# Altium PCB 4G_V4.2_5X4.PcbDoc (part 1 of 5)
Units mm, origin at the board's own origin, x right, y up, seen from the top; angles counter-clockwise.
Board outline 35.5 x 48 mm, 2 copper layers (Top Layer, Bottom Layer); 800 components, 0 nets, 5412 pads, 900 vias.
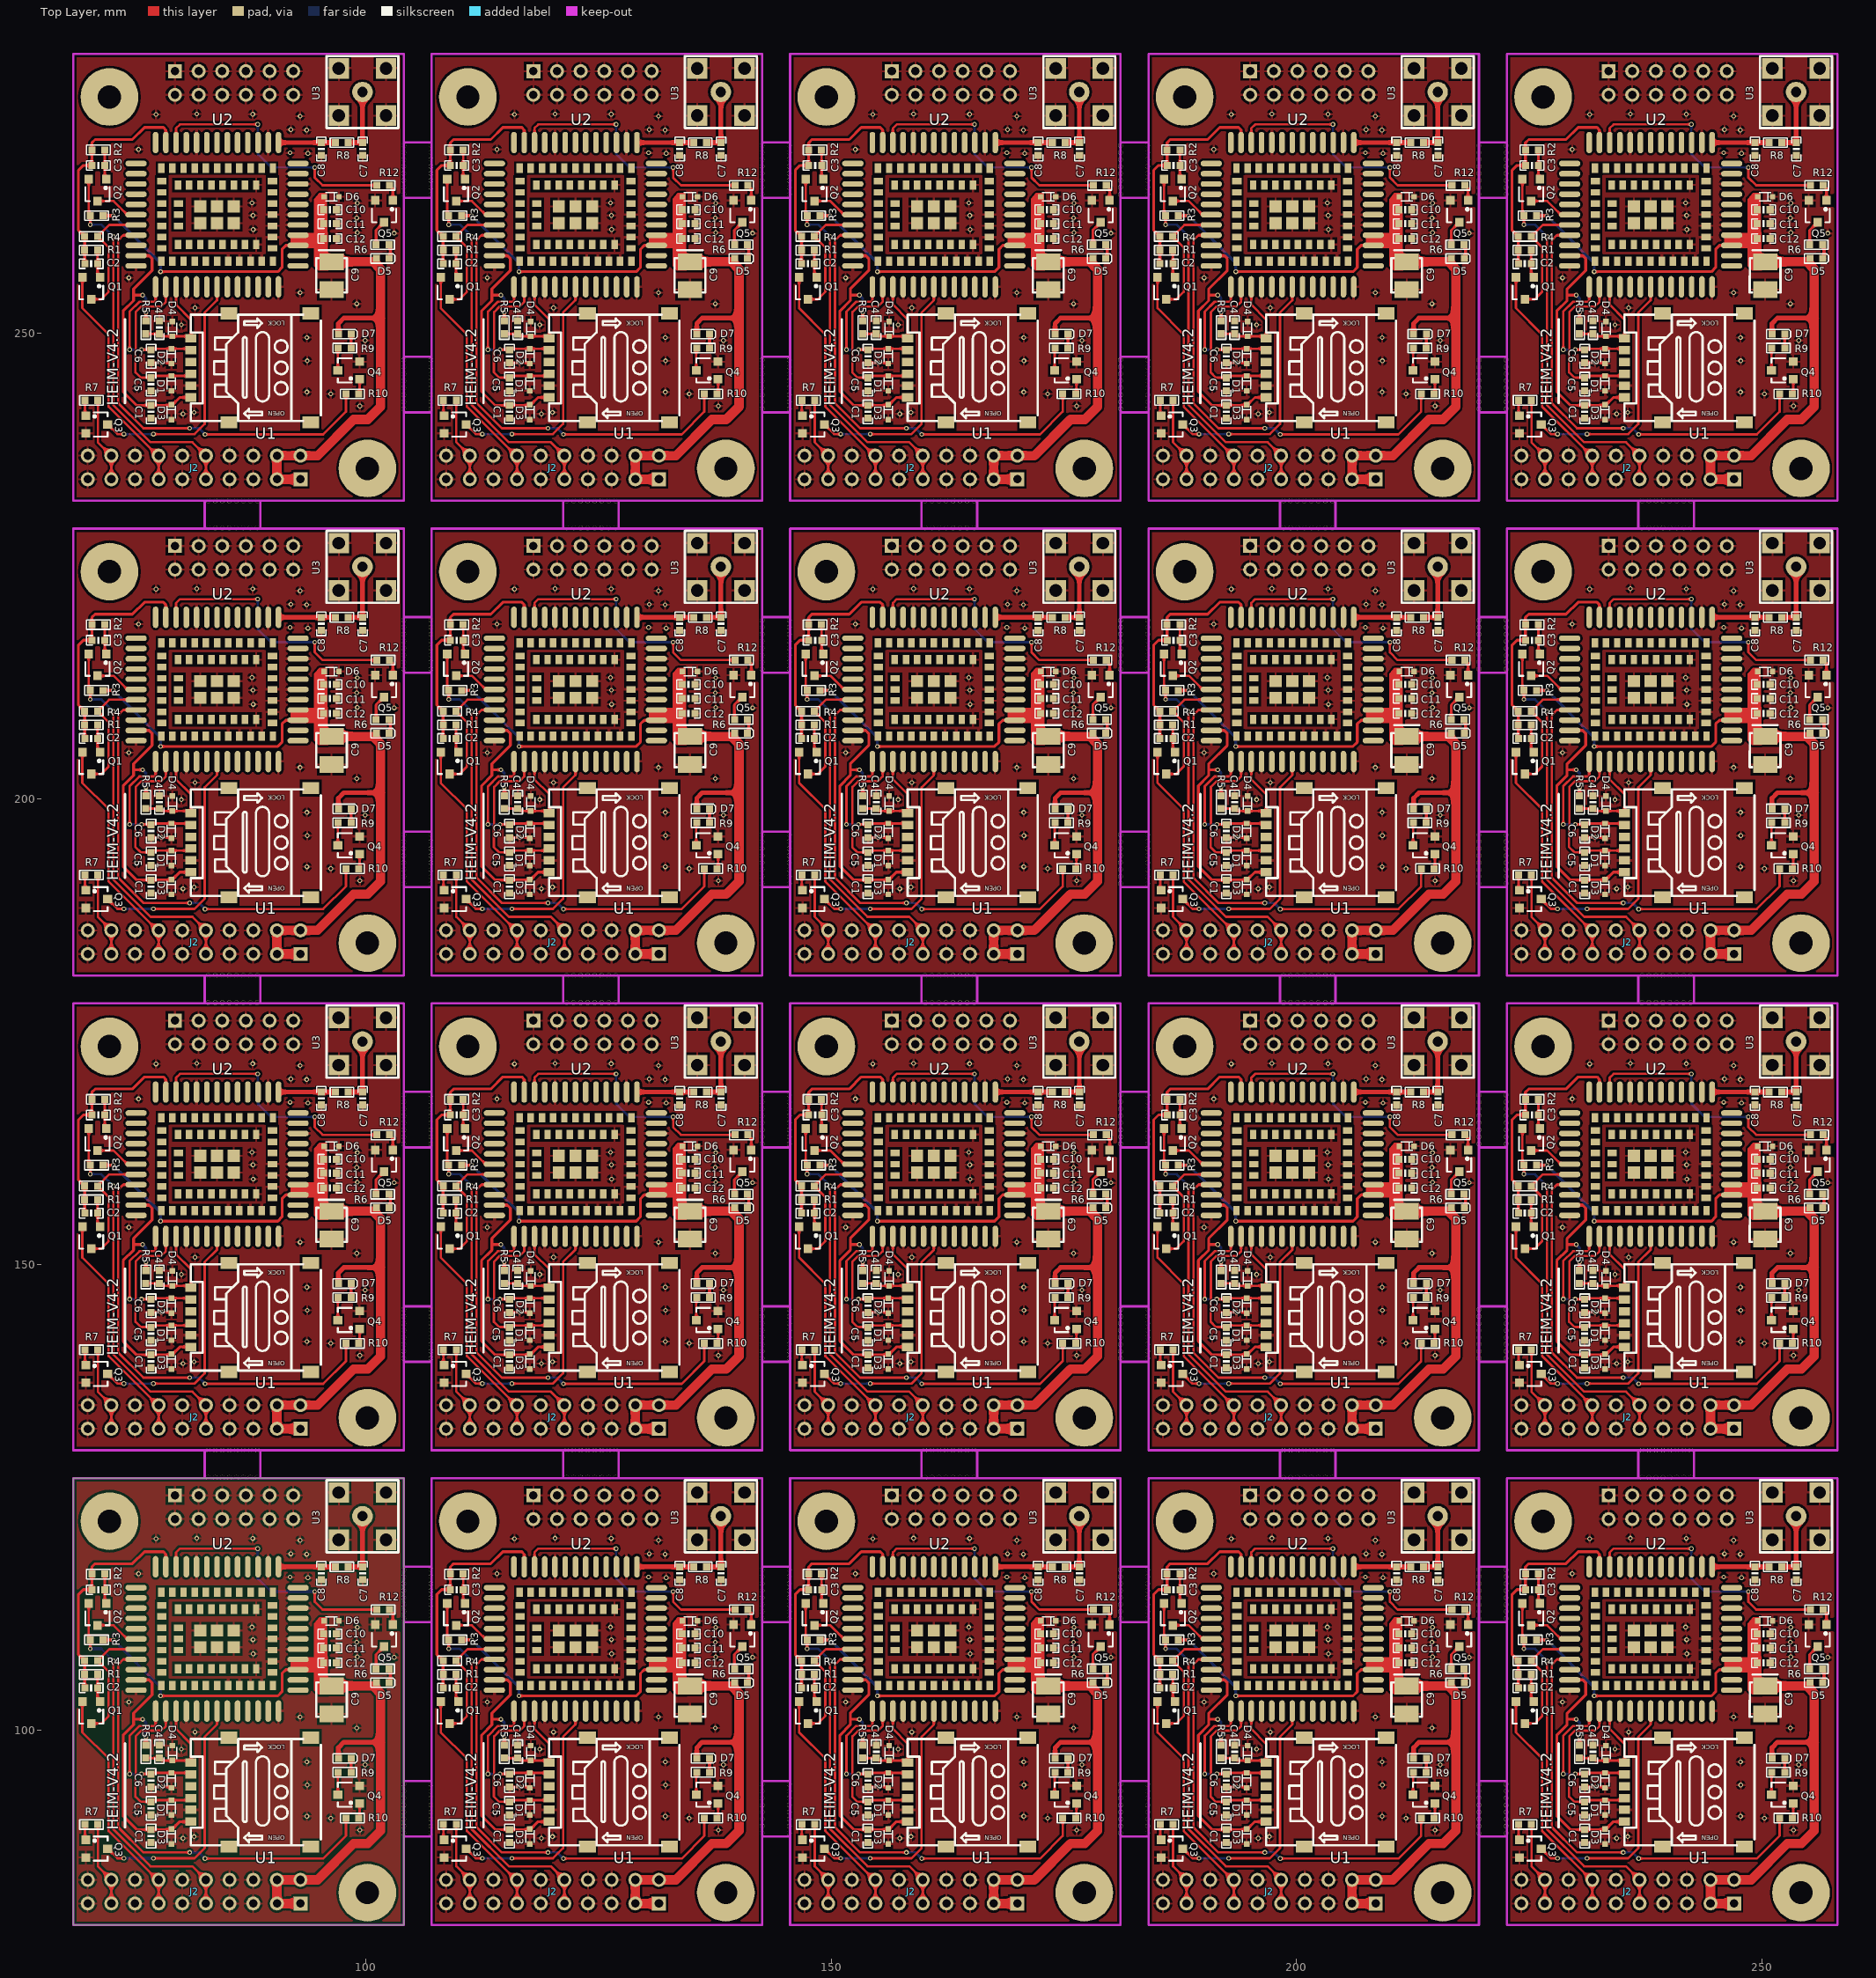
[diagram p0: Top Layer view]
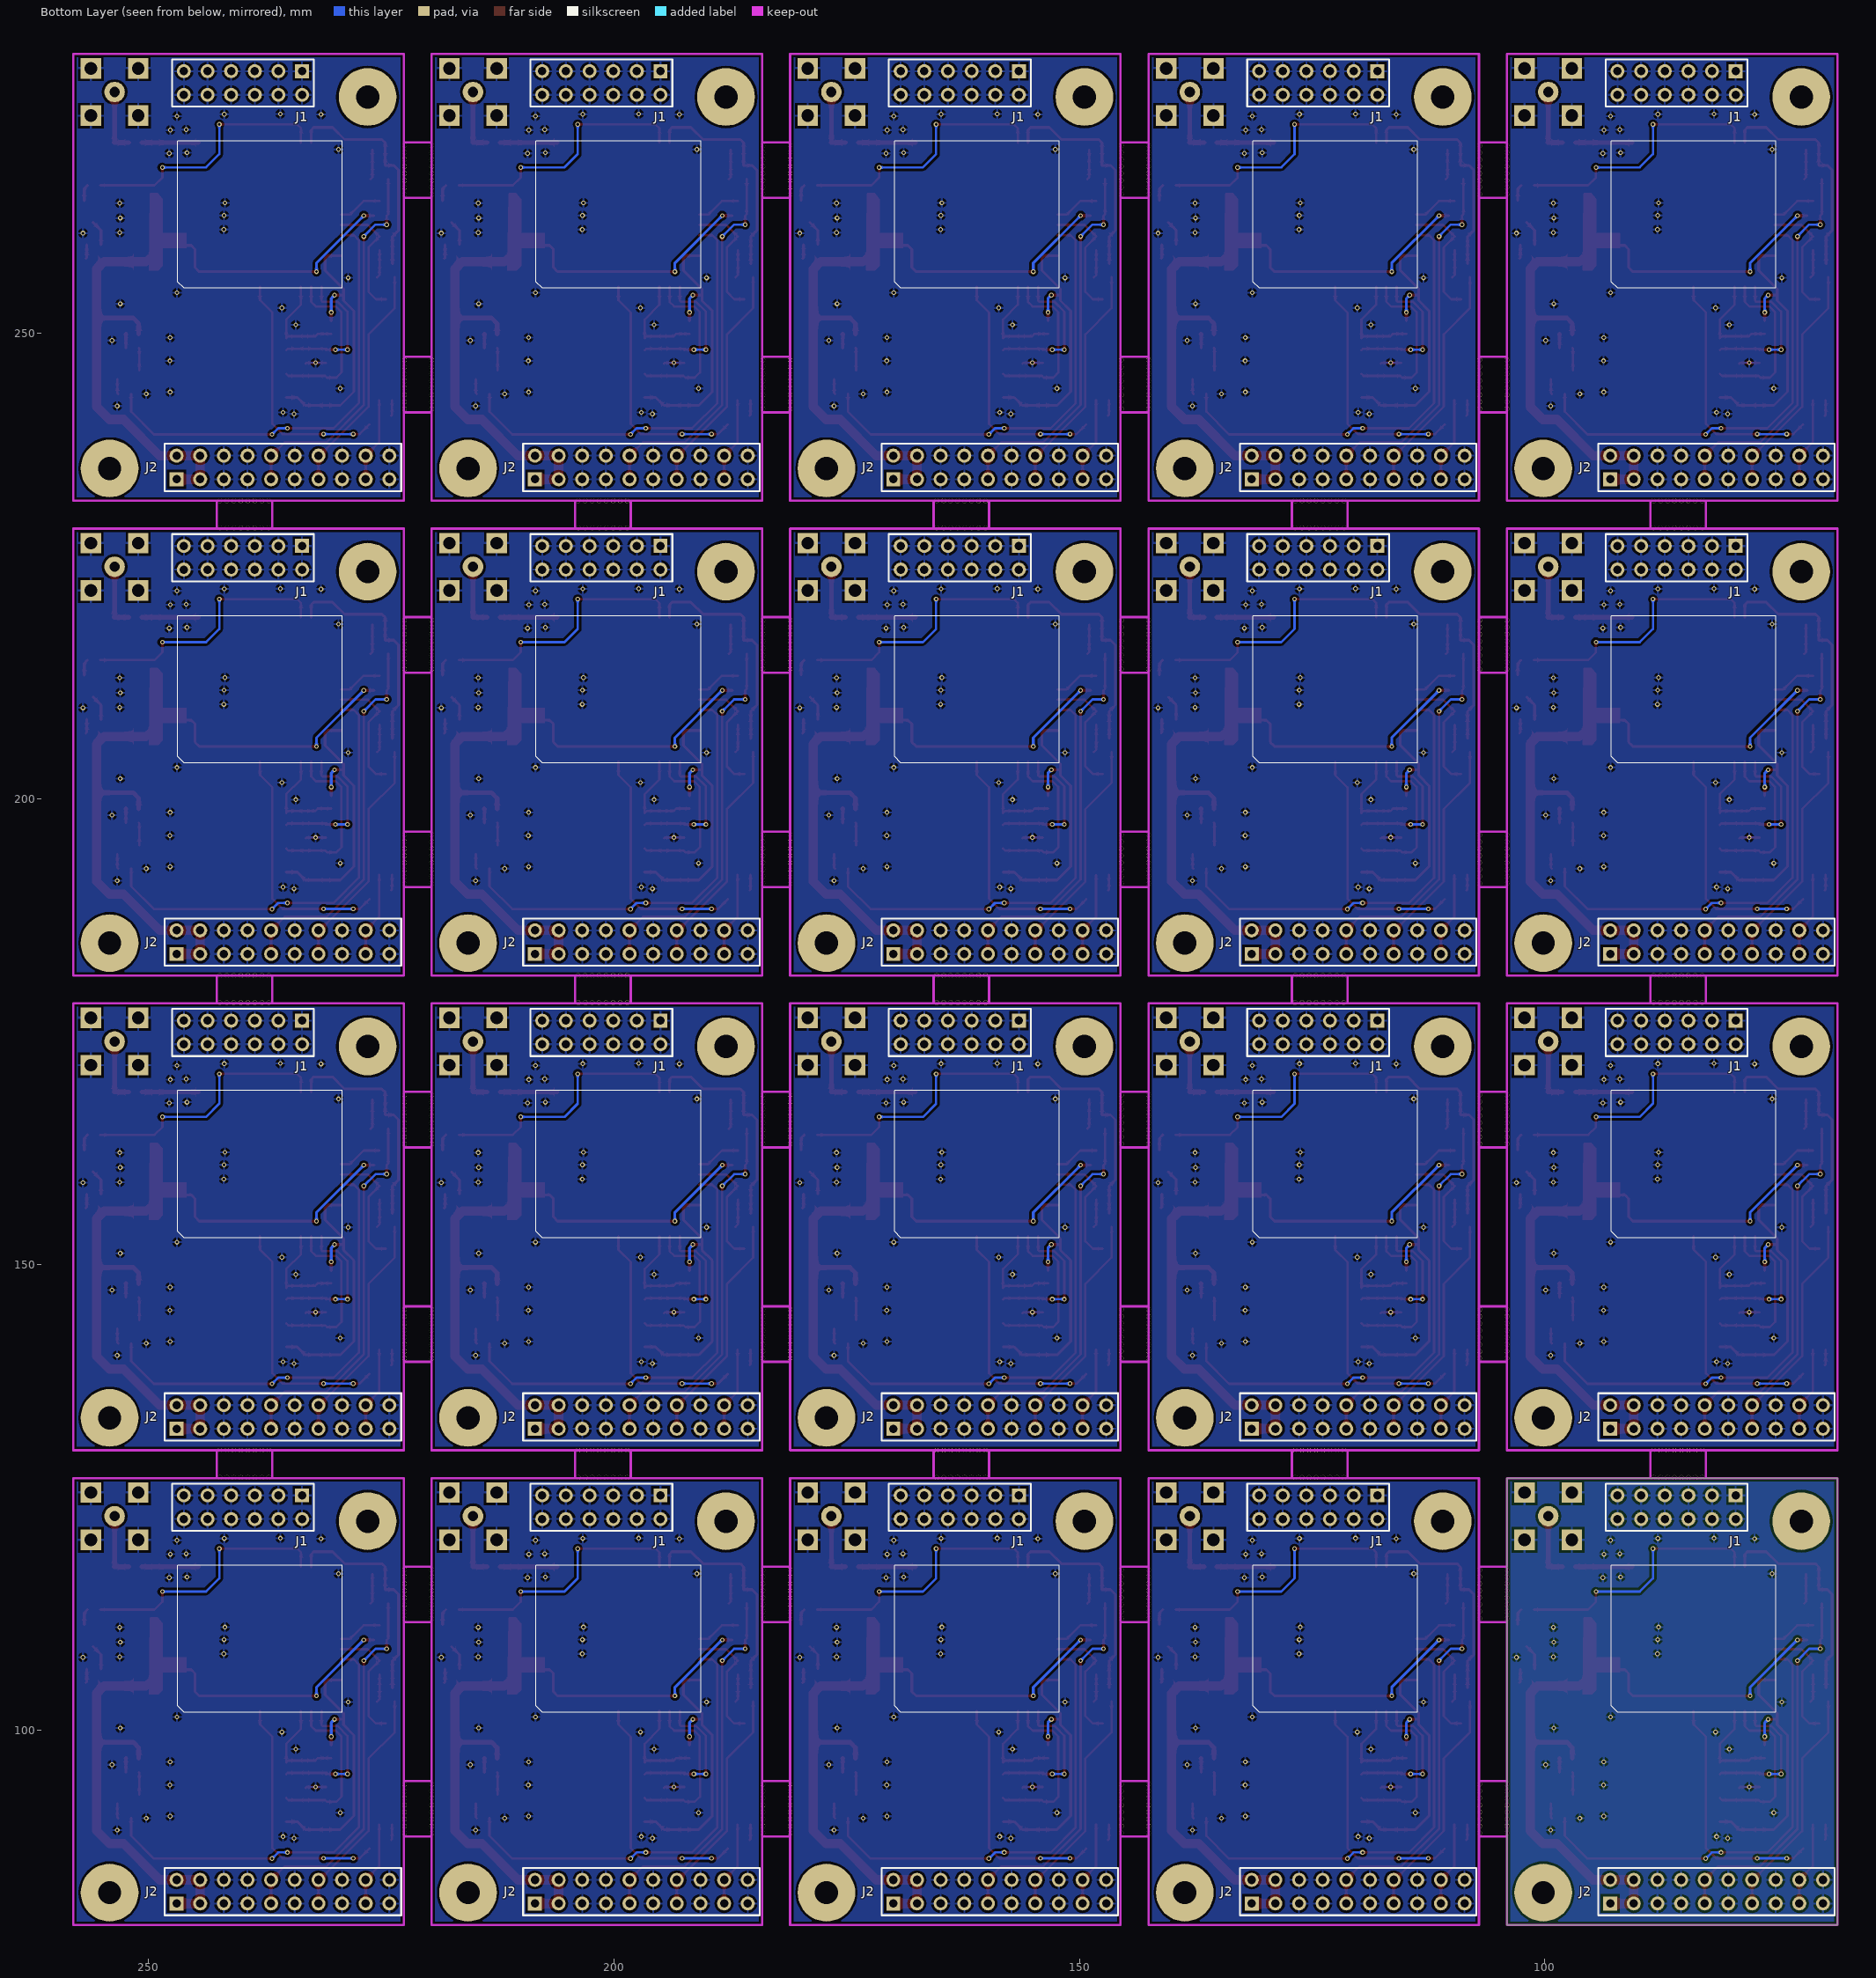
[diagram p1: Bottom Layer view, seen from below]

## Layer stack, top to bottom
Top Solder: solder mask 0.0102, Solder Resist, Dk 3.5
Top Layer: signal copper 0.0356
Dielectric 1: dielectric 0.32, FR-4, Dk 4.8
Bottom Layer: signal copper 0.0356
Bottom Solder: solder mask 0.0102, Solder Resist, Dk 3.5

## Board outline
68.58,79.035 68.58,127.035 104.08,127.035 104.08,79.035

## Design rules (kind name [scope] priority, off if disabled: settings)
Clearance [All] p1: gap=0.254
PolygonConnect [All] p1: connectstyle=Relief reliefconductorwidth=0.254 reliefentries=4 polygonreliefangle="90 Angle" airgapwidth=0.254
RoutingVias [All] p1: holewidth=0.711 width=1.27 viastyle="Through Hole" minholewidth=0.711 minwidth=1.27 maxholewidth=0.711 maxwidth=1.27
SolderMaskExpansion [All] p1: expansion=0.102
Width [All] p1: maxlimit=0.254 minlimit=0.254 preferedwidth=0.254
30 further rules are at their usual default settings.

## Components (designator, comment, footprint, x,y, rotation, side; value= is the part's Value field where it differs from the comment)
C1 "100NF/50V" 0603_C 230.937,241.579 r90 top
C1 "100NF/50V" 0603_C 230.937,190.579 r90 top
C1 "100NF/50V" 0603_C 230.937,139.579 r90 top
C1 "100NF/50V" 0603_C 230.937,88.579 r90 top
C1 "100NF/50V" 0603_C 192.437,241.579 r90 top
C1 "100NF/50V" 0603_C 192.437,190.579 r90 top
C1 "100NF/50V" 0603_C 192.437,139.579 r90 top
C1 "100NF/50V" 0603_C 192.437,88.579 r90 top
C1 "100NF/50V" 0603_C 153.937,241.579 r90 top
C1 "100NF/50V" 0603_C 153.937,190.579 r90 top
C1 "100NF/50V" 0603_C 153.937,139.579 r90 top
C1 "100NF/50V" 0603_C 153.937,88.579 r90 top
C1 "100NF/50V" 0603_C 115.437,241.579 r90 top
C1 "100NF/50V" 0603_C 115.437,190.579 r90 top
C1 "100NF/50V" 0603_C 115.437,139.579 r90 top
C1 "100NF/50V" 0603_C 115.437,88.579 r90 top
C1 "100NF/50V" 0603_C 76.937,241.579 r90 top
C1 "100NF/50V" 0603_C 76.937,190.579 r90 top
C1 "100NF/50V" 0603_C 76.937,139.579 r90 top
C1 "100NF/50V" 0603_C 76.937,88.579 r90 top
C2 "1NF/50V" 0603_C 224.5,257.499 r0 top
C2 "1NF/50V" 0603_C 224.5,206.499 r0 top
C2 "1NF/50V" 0603_C 224.5,155.499 r0 top
C2 "1NF/50V" 0603_C 224.5,104.499 r0 top
C2 "1NF/50V" 0603_C 186,257.499 r0 top
C2 "1NF/50V" 0603_C 186,206.499 r0 top
C2 "1NF/50V" 0603_C 186,155.499 r0 top
C2 "1NF/50V" 0603_C 186,104.499 r0 top
C2 "1NF/50V" 0603_C 147.5,257.499 r0 top
C2 "1NF/50V" 0603_C 147.5,206.499 r0 top
C2 "1NF/50V" 0603_C 147.5,155.499 r0 top
C2 "1NF/50V" 0603_C 147.5,104.499 r0 top
C2 "1NF/50V" 0603_C 109,257.499 r0 top
C2 "1NF/50V" 0603_C 109,206.499 r0 top
C2 "1NF/50V" 0603_C 109,155.499 r0 top
C2 "1NF/50V" 0603_C 109,104.499 r0 top
C2 "1NF/50V" 0603_C 70.5,257.499 r0 top
C2 "1NF/50V" 0603_C 70.5,206.499 r0 top
C2 "1NF/50V" 0603_C 70.5,155.499 r0 top
C2 "1NF/50V" 0603_C 70.5,104.499 r0 top
C3 "1NF/50V" 0603_C 225.272,268.046 r0 top
C3 "1NF/50V" 0603_C 225.272,217.046 r0 top
C3 "1NF/50V" 0603_C 225.272,166.046 r0 top
C3 "1NF/50V" 0603_C 225.272,115.046 r0 top
C3 "1NF/50V" 0603_C 186.772,268.046 r0 top
C3 "1NF/50V" 0603_C 186.772,217.046 r0 top
C3 "1NF/50V" 0603_C 186.772,166.046 r0 top
C3 "1NF/50V" 0603_C 186.772,115.046 r0 top
C3 "1NF/50V" 0603_C 148.272,268.046 r0 top
C3 "1NF/50V" 0603_C 148.272,217.046 r0 top
C3 "1NF/50V" 0603_C 148.272,166.046 r0 top
C3 "1NF/50V" 0603_C 148.272,115.046 r0 top
C3 "1NF/50V" 0603_C 109.772,268.046 r0 top
C3 "1NF/50V" 0603_C 109.772,217.046 r0 top
C3 "1NF/50V" 0603_C 109.772,166.046 r0 top
C3 "1NF/50V" 0603_C 109.772,115.046 r0 top
C3 "1NF/50V" 0603_C 71.272,268.046 r0 top
C3 "1NF/50V" 0603_C 71.272,217.046 r0 top
C3 "1NF/50V" 0603_C 71.272,166.046 r0 top
C3 "1NF/50V" 0603_C 71.272,115.046 r0 top
C4 "33PF/50V" 0603_C 231.826,250.647 r90 top
C4 "33PF/50V" 0603_C 231.826,199.647 r90 top
C4 "33PF/50V" 0603_C 231.826,148.647 r90 top
C4 "33PF/50V" 0603_C 231.826,97.647 r90 top
C4 "33PF/50V" 0603_C 193.326,250.647 r90 top
C4 "33PF/50V" 0603_C 193.326,199.647 r90 top
C4 "33PF/50V" 0603_C 193.326,148.647 r90 top
C4 "33PF/50V" 0603_C 193.326,97.647 r90 top
C4 "33PF/50V" 0603_C 154.826,250.647 r90 top
C4 "33PF/50V" 0603_C 154.826,199.647 r90 top
C4 "33PF/50V" 0603_C 154.826,148.647 r90 top
C4 "33PF/50V" 0603_C 154.826,97.647 r90 top
C4 "33PF/50V" 0603_C 116.326,250.647 r90 top
C4 "33PF/50V" 0603_C 116.326,199.647 r90 top
C4 "33PF/50V" 0603_C 116.326,148.647 r90 top
C4 "33PF/50V" 0603_C 116.326,97.647 r90 top
C4 "33PF/50V" 0603_C 77.826,250.647 r90 top
C4 "33PF/50V" 0603_C 77.826,199.647 r90 top
C4 "33PF/50V" 0603_C 77.826,148.647 r90 top
C4 "33PF/50V" 0603_C 77.826,97.647 r90 top
C5 "33PF/50V" 0603_C 230.94,244.551 r270 top
C5 "33PF/50V" 0603_C 230.94,193.551 r270 top
C5 "33PF/50V" 0603_C 230.94,142.551 r270 top
C5 "33PF/50V" 0603_C 230.94,91.551 r270 top
C5 "33PF/50V" 0603_C 192.44,244.551 r270 top
C5 "33PF/50V" 0603_C 192.44,193.551 r270 top
C5 "33PF/50V" 0603_C 192.44,142.551 r270 top
C5 "33PF/50V" 0603_C 192.44,91.551 r270 top
C5 "33PF/50V" 0603_C 153.94,244.551 r270 top
C5 "33PF/50V" 0603_C 153.94,193.551 r270 top
C5 "33PF/50V" 0603_C 153.94,142.551 r270 top
C5 "33PF/50V" 0603_C 153.94,91.551 r270 top
C5 "33PF/50V" 0603_C 115.44,244.551 r270 top
C5 "33PF/50V" 0603_C 115.44,193.551 r270 top
C5 "33PF/50V" 0603_C 115.44,142.551 r270 top
C5 "33PF/50V" 0603_C 115.44,91.551 r270 top
C5 "33PF/50V" 0603_C 76.94,244.551 r270 top
C5 "33PF/50V" 0603_C 76.94,193.551 r270 top
C5 "33PF/50V" 0603_C 76.94,142.551 r270 top
C5 "33PF/50V" 0603_C 76.94,91.551 r270 top
C6 "33PF/50V" 0603_C 230.94,247.548 r270 top
C6 "33PF/50V" 0603_C 230.94,196.548 r270 top
C6 "33PF/50V" 0603_C 230.94,145.548 r270 top
C6 "33PF/50V" 0603_C 230.94,94.548 r270 top
C6 "33PF/50V" 0603_C 192.44,247.548 r270 top
C6 "33PF/50V" 0603_C 192.44,196.548 r270 top
C6 "33PF/50V" 0603_C 192.44,145.548 r270 top
C6 "33PF/50V" 0603_C 192.44,94.548 r270 top
C6 "33PF/50V" 0603_C 153.94,247.548 r270 top
C6 "33PF/50V" 0603_C 153.94,196.548 r270 top
C6 "33PF/50V" 0603_C 153.94,145.548 r270 top
C6 "33PF/50V" 0603_C 153.94,94.548 r270 top
C6 "33PF/50V" 0603_C 115.44,247.548 r270 top
C6 "33PF/50V" 0603_C 115.44,196.548 r270 top
C6 "33PF/50V" 0603_C 115.44,145.548 r270 top
C6 "33PF/50V" 0603_C 115.44,94.548 r270 top
C6 "33PF/50V" 0603_C 76.94,247.548 r270 top
C6 "33PF/50V" 0603_C 76.94,196.548 r270 top
C6 "33PF/50V" 0603_C 76.94,145.548 r270 top
C6 "33PF/50V" 0603_C 76.94,94.548 r270 top
C7 "[NC]" 0603_C 253.67,269.824 r270 top
C7 "[NC]" 0603_C 253.67,218.824 r270 top
C7 "[NC]" 0603_C 253.67,167.824 r270 top
C7 "[NC]" 0603_C 253.67,116.824 r270 top
C7 "[NC]" 0603_C 215.17,269.824 r270 top
C7 "[NC]" 0603_C 215.17,218.824 r270 top
C7 "[NC]" 0603_C 215.17,167.824 r270 top
C7 "[NC]" 0603_C 215.17,116.824 r270 top
C7 "[NC]" 0603_C 176.67,269.824 r270 top
C7 "[NC]" 0603_C 176.67,218.824 r270 top
C7 "[NC]" 0603_C 176.67,167.824 r270 top
C7 "[NC]" 0603_C 176.67,116.824 r270 top
C7 "[NC]" 0603_C 138.17,269.824 r270 top
C7 "[NC]" 0603_C 138.17,218.824 r270 top
C7 "[NC]" 0603_C 138.17,167.824 r270 top
C7 "[NC]" 0603_C 138.17,116.824 r270 top
C7 "[NC]" 0603_C 99.67,269.824 r270 top
C7 "[NC]" 0603_C 99.67,218.824 r270 top
C7 "[NC]" 0603_C 99.67,167.824 r270 top
C7 "[NC]" 0603_C 99.67,116.824 r270 top
C8 "[NC]" 0603_C 249.225,269.824 r270 top
C8 "[NC]" 0603_C 249.225,218.824 r270 top
C8 "[NC]" 0603_C 249.225,167.824 r270 top
C8 "[NC]" 0603_C 249.225,116.824 r270 top
C8 "[NC]" 0603_C 210.725,269.824 r270 top
C8 "[NC]" 0603_C 210.725,218.824 r270 top
C8 "[NC]" 0603_C 210.725,167.824 r270 top
C8 "[NC]" 0603_C 210.725,116.824 r270 top
C8 "[NC]" 0603_C 172.225,269.824 r270 top
C8 "[NC]" 0603_C 172.225,218.824 r270 top
C8 "[NC]" 0603_C 172.225,167.824 r270 top
C8 "[NC]" 0603_C 172.225,116.824 r270 top
C8 "[NC]" 0603_C 133.725,269.824 r270 top
C8 "[NC]" 0603_C 133.725,218.824 r270 top
C8 "[NC]" 0603_C 133.725,167.824 r270 top
C8 "[NC]" 0603_C 133.725,116.824 r270 top
C8 "[NC]" 0603_C 95.225,269.824 r270 top
C8 "[NC]" 0603_C 95.225,218.824 r270 top
C8 "[NC]" 0603_C 95.225,167.824 r270 top
C8 "[NC]" 0603_C 95.225,116.824 r270 top
C9 "100UF/6.3V" CASE-B_3528 250.317,257.708 r90 top
C9 "100UF/6.3V" CASE-B_3528 250.317,206.708 r90 top
C9 "100UF/6.3V" CASE-B_3528 250.317,155.708 r90 top
C9 "100UF/6.3V" CASE-B_3528 250.317,104.708 r90 top
C9 "100UF/6.3V" CASE-B_3528 211.817,257.708 r90 top
C9 "100UF/6.3V" CASE-B_3528 211.817,206.708 r90 top
C9 "100UF/6.3V" CASE-B_3528 211.817,155.708 r90 top
C9 "100UF/6.3V" CASE-B_3528 211.817,104.708 r90 top
C9 "100UF/6.3V" CASE-B_3528 173.317,257.708 r90 top
C9 "100UF/6.3V" CASE-B_3528 173.317,206.708 r90 top
C9 "100UF/6.3V" CASE-B_3528 173.317,155.708 r90 top
C9 "100UF/6.3V" CASE-B_3528 173.317,104.708 r90 top
C9 "100UF/6.3V" CASE-B_3528 134.817,257.708 r90 top
C9 "100UF/6.3V" CASE-B_3528 134.817,206.708 r90 top
C9 "100UF/6.3V" CASE-B_3528 134.817,155.708 r90 top
C9 "100UF/6.3V" CASE-B_3528 134.817,104.708 r90 top
C9 "100UF/6.3V" CASE-B_3528 96.317,257.708 r90 top
C9 "100UF/6.3V" CASE-B_3528 96.317,206.708 r90 top
C9 "100UF/6.3V" CASE-B_3528 96.317,155.708 r90 top
C9 "100UF/6.3V" CASE-B_3528 96.317,104.708 r90 top
C10 "100NF/50V" 0603_C 250.157,263.296 r0 top
C10 "100NF/50V" 0603_C 250.157,212.296 r0 top
C10 "100NF/50V" 0603_C 250.157,161.296 r0 top
C10 "100NF/50V" 0603_C 250.157,110.296 r0 top
C10 "100NF/50V" 0603_C 211.657,263.296 r0 top
C10 "100NF/50V" 0603_C 211.657,212.296 r0 top
C10 "100NF/50V" 0603_C 211.657,161.296 r0 top
C10 "100NF/50V" 0603_C 211.657,110.296 r0 top
C10 "100NF/50V" 0603_C 173.157,263.296 r0 top
C10 "100NF/50V" 0603_C 173.157,212.296 r0 top
C10 "100NF/50V" 0603_C 173.157,161.296 r0 top
C10 "100NF/50V" 0603_C 173.157,110.296 r0 top
C10 "100NF/50V" 0603_C 134.657,263.296 r0 top
C10 "100NF/50V" 0603_C 134.657,212.296 r0 top
C10 "100NF/50V" 0603_C 134.657,161.296 r0 top
C10 "100NF/50V" 0603_C 134.657,110.296 r0 top
C10 "100NF/50V" 0603_C 96.157,263.296 r0 top
C10 "100NF/50V" 0603_C 96.157,212.296 r0 top
C10 "100NF/50V" 0603_C 96.157,161.296 r0 top
C10 "100NF/50V" 0603_C 96.157,110.296 r0 top
C11 "33PF/50V" 0603_C 250.157,261.798 r0 top
C11 "33PF/50V" 0603_C 250.157,210.798 r0 top
C11 "33PF/50V" 0603_C 250.157,159.798 r0 top
C11 "33PF/50V" 0603_C 250.157,108.798 r0 top
C11 "33PF/50V" 0603_C 211.657,261.798 r0 top
C11 "33PF/50V" 0603_C 211.657,210.798 r0 top
C11 "33PF/50V" 0603_C 211.657,159.798 r0 top
C11 "33PF/50V" 0603_C 211.657,108.798 r0 top
C11 "33PF/50V" 0603_C 173.157,261.798 r0 top
C11 "33PF/50V" 0603_C 173.157,210.798 r0 top
C11 "33PF/50V" 0603_C 173.157,159.798 r0 top
C11 "33PF/50V" 0603_C 173.157,108.798 r0 top
C11 "33PF/50V" 0603_C 134.657,261.798 r0 top
C11 "33PF/50V" 0603_C 134.657,210.798 r0 top
C11 "33PF/50V" 0603_C 134.657,159.798 r0 top
C11 "33PF/50V" 0603_C 134.657,108.798 r0 top
C11 "33PF/50V" 0603_C 96.157,261.798 r0 top
C11 "33PF/50V" 0603_C 96.157,210.798 r0 top
C11 "33PF/50V" 0603_C 96.157,159.798 r0 top
C11 "33PF/50V" 0603_C 96.157,108.798 r0 top
C12 "10PF/50V" 0603_C 250.157,260.198 r0 top
C12 "10PF/50V" 0603_C 250.157,209.198 r0 top
C12 "10PF/50V" 0603_C 250.157,158.198 r0 top
C12 "10PF/50V" 0603_C 250.157,107.198 r0 top
C12 "10PF/50V" 0603_C 211.657,260.198 r0 top
C12 "10PF/50V" 0603_C 211.657,209.198 r0 top
C12 "10PF/50V" 0603_C 211.657,158.198 r0 top
C12 "10PF/50V" 0603_C 211.657,107.198 r0 top
C12 "10PF/50V" 0603_C 173.157,260.198 r0 top
C12 "10PF/50V" 0603_C 173.157,209.198 r0 top
C12 "10PF/50V" 0603_C 173.157,158.198 r0 top
C12 "10PF/50V" 0603_C 173.157,107.198 r0 top
C12 "10PF/50V" 0603_C 134.657,260.198 r0 top
C12 "10PF/50V" 0603_C 134.657,209.198 r0 top
C12 "10PF/50V" 0603_C 134.657,158.198 r0 top
C12 "10PF/50V" 0603_C 134.657,107.198 r0 top
C12 "10PF/50V" 0603_C 96.157,260.198 r0 top
C12 "10PF/50V" 0603_C 96.157,209.198 r0 top
C12 "10PF/50V" 0603_C 96.157,158.198 r0 top
C12 "10PF/50V" 0603_C 96.157,107.198 r0 top
D1 "PESDNC5D5VB" SOD-523 233.121,244.645 r270 top
D1 "PESDNC5D5VB" SOD-523 233.121,193.645 r270 top
D1 "PESDNC5D5VB" SOD-523 233.121,142.645 r270 top
D1 "PESDNC5D5VB" SOD-523 233.121,91.645 r270 top
D1 "PESDNC5D5VB" SOD-523 194.621,244.645 r270 top
D1 "PESDNC5D5VB" SOD-523 194.621,193.645 r270 top
D1 "PESDNC5D5VB" SOD-523 194.621,142.645 r270 top
D1 "PESDNC5D5VB" SOD-523 194.621,91.645 r270 top
D1 "PESDNC5D5VB" SOD-523 156.121,244.645 r270 top
D1 "PESDNC5D5VB" SOD-523 156.121,193.645 r270 top
D1 "PESDNC5D5VB" SOD-523 156.121,142.645 r270 top
D1 "PESDNC5D5VB" SOD-523 156.121,91.645 r270 top
D1 "PESDNC5D5VB" SOD-523 117.621,244.645 r270 top
D1 "PESDNC5D5VB" SOD-523 117.621,193.645 r270 top
D1 "PESDNC5D5VB" SOD-523 117.621,142.645 r270 top
D1 "PESDNC5D5VB" SOD-523 117.621,91.645 r270 top
D1 "PESDNC5D5VB" SOD-523 79.121,244.645 r270 top
D1 "PESDNC5D5VB" SOD-523 79.121,193.645 r270 top
D1 "PESDNC5D5VB" SOD-523 79.121,142.645 r270 top
D1 "PESDNC5D5VB" SOD-523 79.121,91.645 r270 top
D2 "PESDNC5D5VB" SOD-523 233.121,247.566 r270 top
D2 "PESDNC5D5VB" SOD-523 233.121,196.566 r270 top
D2 "PESDNC5D5VB" SOD-523 233.121,145.566 r270 top
D2 "PESDNC5D5VB" SOD-523 233.121,94.566 r270 top
D2 "PESDNC5D5VB" SOD-523 194.621,247.566 r270 top
D2 "PESDNC5D5VB" SOD-523 194.621,196.566 r270 top
D2 "PESDNC5D5VB" SOD-523 194.621,145.566 r270 top
D2 "PESDNC5D5VB" SOD-523 194.621,94.566 r270 top
D2 "PESDNC5D5VB" SOD-523 156.121,247.566 r270 top
D2 "PESDNC5D5VB" SOD-523 156.121,196.566 r270 top
D2 "PESDNC5D5VB" SOD-523 156.121,145.566 r270 top
D2 "PESDNC5D5VB" SOD-523 156.121,94.566 r270 top
D2 "PESDNC5D5VB" SOD-523 117.621,247.566 r270 top
D2 "PESDNC5D5VB" SOD-523 117.621,196.566 r270 top
D2 "PESDNC5D5VB" SOD-523 117.621,145.566 r270 top
D2 "PESDNC5D5VB" SOD-523 117.621,94.566 r270 top
D2 "PESDNC5D5VB" SOD-523 79.121,247.566 r270 top
D2 "PESDNC5D5VB" SOD-523 79.121,196.566 r270 top
D2 "PESDNC5D5VB" SOD-523 79.121,145.566 r270 top

## Text inside footprints (layer, text, board x,y; h text height)
U2: Mechanical 5 "94" at 120.723,161.583 h0.1 r270; Mechanical 5 "92" at 122.523,161.583 h0.1 r270; Mechanical 5 "90" at 124.323,161.583 h0.1 r270; Mechanical 5 "93" at 120.723,159.783 h0.1 r270; Mechanical 5 "91" at 122.523,159.783 h0.1 r270; Mechanical 5 "89" at 124.323,159.783 h0.1 r270; Mechanical 5 "79" at 119.523,157.483 h0.1 r270; Mechanical 5 "82" at 119.523,163.883 h0.1 r270; Mechanical 5 "109" at 118.373,161.843 h0.1 r270; Mechanical 5 "81" at 118.323,163.883 h0.1 r270; Mechanical 5 "83" at 120.723,163.883 h0.1 r270; Mechanical 5 "84" at 121.923,163.883 h0.1 r270; Mechanical 5 "85" at 123.123,163.883 h0.1 r270; Mechanical 5 "86" at 124.323,163.883 h0.1 r270; Mechanical 5 "87" at 125.523,163.883 h0.1 r270; Mechanical 5 "108" at 118.373,160.643 h0.1 r270; Mechanical 5 "107" at 118.373,159.443 h0.1 r270; Mechanical 5 "80" at 118.323,157.483 h0.1 r270; Mechanical 5 "78" at 120.723,157.483 h0.1 r270; Mechanical 5 "77" at 121.923,157.483 h0.1 r270; Mechanical 5 "76" at 123.123,157.483 h0.1 r270; Mechanical 5 "75" at 124.323,157.483 h0.1 r270; Mechanical 5 "74" at 125.523,157.483 h0.1 r270; Mechanical 5 "88" at 126.723,163.883 h0.1 r270; Mechanical 5 "73" at 126.723,157.483 h0.1 r270; Mechanical 5 "61" at 120.123,165.683 h0.1 r270; Mechanical 5 "59" at 117.723,165.683 h0.1 r270; Mechanical 5 "60" at 118.923,165.683 h0.1 r270; Mechanical 5 "102" at 116.573,164.243 h0.1 r270; Mechanical 5 "58" at 116.573,163.083 h0.1 r270; Mechanical 5 "57" at 116.573,161.883 h0.1 r270; Mechanical 5 "56" at 116.573,160.683 h0.1 r270; Mechanical 5 "55" at 116.573,159.483 h0.1 r270; Mechanical 5 "54" at 116.573,158.283 h0.1 r270; Mechanical 5 "101" at 116.573,157.043 h0.1 r270; Mechanical 5 "105" at 128.473,164.243 h0.1 r270; Mechanical 5 "68" at 128.473,163.083 h0.1 r270; Mechanical 5 "69" at 128.473,161.883 h0.1 r270; Mechanical 5 "106" at 128.473,157.043 h0.1 r270; Mechanical 5 "103" at 116.523,165.643 h0.1 r270; Mechanical 5 "62" at 121.323,165.683 h0.1 r270; Mechanical 5 "63" at 122.523,165.683 h0.1 r270; Mechanical 5 "64" at 123.723,165.683 h0.1 r270; Mechanical 5 "65" at 124.923,165.683 h0.1 r270; Mechanical 5 "104" at 128.523,165.643 h0.1 r270; Mechanical 5 "100" at 116.523,155.643 h0.1 r270; Mechanical 5 "53" at 117.723,155.683 h0.1 r270; Mechanical 5 "52" at 118.923,155.683 h0.1 r270; Mechanical 5 "51" at 120.123,155.683 h0.1 r270; Mechanical 5 "50" at 121.323,155.683 h0.1 r270; Mechanical 5 "49" at 122.523,155.683 h0.1 r270; Mechanical 5 "99" at 128.523,155.683 h0.1 r270; Mechanical 5 "66" at 126.123,165.683 h0.1 r270; Mechanical 5 "67" at 127.323,165.683 h0.1 r270; Mechanical 5 "45" at 127.323,155.683 h0.1 r270; Mechanical 5 "70" at 128.473,160.683 h0.1 r270; Mechanical 5 "71" at 128.473,159.483 h0.1 r270; Mechanical 5 "72" at 128.473,158.283 h0.1 r270; Mechanical 5 "48" at 123.723,155.683 h0.1 r270; Mechanical 5 "47" at 124.923,155.683 h0.1 r270; Mechanical 5 "46" at 126.123,155.683 h0.1 r270; Mechanical 5 "24" at 117.023,168.433 h0.1 r270; Mechanical 5 "42" at 131.223,158.483 h0.1 r270; Mechanical 5 "43" at 131.223,157.383 h0.1 r270; Mechanical 5 "14" at 113.823,156.283 h0.1 r270; Mechanical 5 "12" at 117.023,152.933 h0.1 r270; Mechanical 5 "11" at 118.123,152.933 h0.1 r270; Mechanical 5 "13" at 115.923,152.933 h0.1 r270; Mechanical 5 "25" at 118.123,168.433 h0.1 r270; Mechanical 5 "15" at 113.823,157.383 h0.1 r270; Mechanical 5 "97" at 131.223,166.183 h0.1 r270; Mechanical 5 "44" at 131.223,156.283 h0.1 r270; Mechanical 5 "26" at 119.223,168.433 h0.1 r270; Mechanical 5 "9" at 120.323,152.973 h0.1 r270; Mechanical 5 "8" at 121.423,152.973 h0.1 r270; Mechanical 5 "6" at 123.623,152.973 h0.1 r270; Mechanical 5 "5" at 124.723,152.973 h0.1 r270; Mechanical 5 "4" at 125.823,152.973 h0.1 r270; Mechanical 5 "96" at 113.823,166.183 h0.1 r270; Mechanical 5 "95" at 113.823,155.183 h0.1 r270; Mechanical 5 "3" at 126.923,152.973 h0.1 r270; Mechanical 5 "7" at 122.523,152.973 h0.1 r270; Mechanical 5 "31" at 124.723,168.433 h0.1 r270; Mechanical 5 "33" at 126.923,168.433 h0.1 r270; Mechanical 5 "32" at 125.823,168.433 h0.1 r270; Mechanical 5 "30" at 123.623,168.433 h0.1 r270; Mechanical 5 "16" at 113.823,158.483 h0.1 r270; Mechanical 5 "18" at 113.823,160.683 h0.1 r270; Mechanical 5 "17" at 113.823,159.583 h0.1 r270; Mechanical 5 "23" at 115.923,168.433 h0.1 r270; Mechanical 5 "20" at 113.823,162.883 h0.1 r270; Mechanical 5 "19" at 113.823,161.783 h0.1 r270; Mechanical 5 "21" at 113.823,163.983 h0.1 r270; Mechanical 5 "22" at 113.823,165.083 h0.1 r270; Mechanical 5 "36" at 131.223,165.083 h0.1 r270; Mechanical 5 "37" at 131.223,163.983 h0.1 r270; Mechanical 5 "40" at 131.223,160.683 h0.1 r270; Mechanical 5 "41" at 131.223,159.583 h0.1 r270; Mechanical 5 "27" at 120.323,168.433 h0.1 r270; Mechanical 5 "34" at 128.023,168.433 h0.1 r270; Mechanical 5 "10" at 119.223,152.933 h0.1 r270; Mechanical 5 "1" at 129.123,152.973 h0.1 r270; Mechanical 5 "39" at 131.223,161.783 h0.1 r270; Mechanical 5 "38" at 131.223,162.883 h0.1 r270; Mechanical 5 "29" at 122.523,168.433 h0.1 r270; Mechanical 5 "28" at 121.423,168.433 h0.1 r270; Mechanical 5 "98" at 131.223,155.183 h0.1 r270; Mechanical 5 "35" at 129.123,168.433 h0.1 r270; Mechanical 5 "2" at 128.023,152.973 h0.1 r270
U2: Mechanical 5 "94" at 120.723,110.583 h0.1 r270; Mechanical 5 "92" at 122.523,110.583 h0.1 r270; Mechanical 5 "90" at 124.323,110.583 h0.1 r270; Mechanical 5 "93" at 120.723,108.783 h0.1 r270; Mechanical 5 "91" at 122.523,108.783 h0.1 r270; Mechanical 5 "89" at 124.323,108.783 h0.1 r270; Mechanical 5 "79" at 119.523,106.483 h0.1 r270; Mechanical 5 "82" at 119.523,112.883 h0.1 r270; Mechanical 5 "109" at 118.373,110.843 h0.1 r270; Mechanical 5 "81" at 118.323,112.883 h0.1 r270; Mechanical 5 "83" at 120.723,112.883 h0.1 r270; Mechanical 5 "84" at 121.923,112.883 h0.1 r270; Mechanical 5 "85" at 123.123,112.883 h0.1 r270; Mechanical 5 "86" at 124.323,112.883 h0.1 r270; Mechanical 5 "87" at 125.523,112.883 h0.1 r270; Mechanical 5 "108" at 118.373,109.643 h0.1 r270; Mechanical 5 "107" at 118.373,108.443 h0.1 r270; Mechanical 5 "80" at 118.323,106.483 h0.1 r270; Mechanical 5 "78" at 120.723,106.483 h0.1 r270; Mechanical 5 "77" at 121.923,106.483 h0.1 r270; Mechanical 5 "76" at 123.123,106.483 h0.1 r270; Mechanical 5 "75" at 124.323,106.483 h0.1 r270; Mechanical 5 "74" at 125.523,106.483 h0.1 r270; Mechanical 5 "88" at 126.723,112.883 h0.1 r270; Mechanical 5 "73" at 126.723,106.483 h0.1 r270; Mechanical 5 "61" at 120.123,114.683 h0.1 r270; Mechanical 5 "59" at 117.723,114.683 h0.1 r270; Mechanical 5 "60" at 118.923,114.683 h0.1 r270; Mechanical 5 "102" at 116.573,113.243 h0.1 r270; Mechanical 5 "58" at 116.573,112.083 h0.1 r270; Mechanical 5 "57" at 116.573,110.883 h0.1 r270; Mechanical 5 "56" at 116.573,109.683 h0.1 r270; Mechanical 5 "55" at 116.573,108.483 h0.1 r270; Mechanical 5 "54" at 116.573,107.283 h0.1 r270; Mechanical 5 "101" at 116.573,106.043 h0.1 r270; Mechanical 5 "105" at 128.473,113.243 h0.1 r270; Mechanical 5 "68" at 128.473,112.083 h0.1 r270; Mechanical 5 "69" at 128.473,110.883 h0.1 r270; Mechanical 5 "106" at 128.473,106.043 h0.1 r270; Mechanical 5 "103" at 116.523,114.643 h0.1 r270; Mechanical 5 "62" at 121.323,114.683 h0.1 r270; Mechanical 5 "63" at 122.523,114.683 h0.1 r270; Mechanical 5 "64" at 123.723,114.683 h0.1 r270; Mechanical 5 "65" at 124.923,114.683 h0.1 r270; Mechanical 5 "104" at 128.523,114.643 h0.1 r270; Mechanical 5 "100" at 116.523,104.643 h0.1 r270; Mechanical 5 "53" at 117.723,104.683 h0.1 r270; Mechanical 5 "52" at 118.923,104.683 h0.1 r270; Mechanical 5 "51" at 120.123,104.683 h0.1 r270; Mechanical 5 "50" at 121.323,104.683 h0.1 r270; Mechanical 5 "49" at 122.523,104.683 h0.1 r270; Mechanical 5 "99" at 128.523,104.683 h0.1 r270; Mechanical 5 "66" at 126.123,114.683 h0.1 r270; Mechanical 5 "67" at 127.323,114.683 h0.1 r270; Mechanical 5 "45" at 127.323,104.683 h0.1 r270; Mechanical 5 "70" at 128.473,109.683 h0.1 r270; Mechanical 5 "71" at 128.473,108.483 h0.1 r270; Mechanical 5 "72" at 128.473,107.283 h0.1 r270; Mechanical 5 "48" at 123.723,104.683 h0.1 r270; Mechanical 5 "47" at 124.923,104.683 h0.1 r270; Mechanical 5 "46" at 126.123,104.683 h0.1 r270; Mechanical 5 "24" at 117.023,117.433 h0.1 r270; Mechanical 5 "42" at 131.223,107.483 h0.1 r270; Mechanical 5 "43" at 131.223,106.383 h0.1 r270; Mechanical 5 "14" at 113.823,105.283 h0.1 r270; Mechanical 5 "12" at 117.023,101.933 h0.1 r270; Mechanical 5 "11" at 118.123,101.933 h0.1 r270; Mechanical 5 "13" at 115.923,101.933 h0.1 r270; Mechanical 5 "25" at 118.123,117.433 h0.1 r270; Mechanical 5 "15" at 113.823,106.383 h0.1 r270; Mechanical 5 "97" at 131.223,115.183 h0.1 r270; Mechanical 5 "44" at 131.223,105.283 h0.1 r270; Mechanical 5 "26" at 119.223,117.433 h0.1 r270; Mechanical 5 "9" at 120.323,101.973 h0.1 r270; Mechanical 5 "8" at 121.423,101.973 h0.1 r270; Mechanical 5 "6" at 123.623,101.973 h0.1 r270; Mechanical 5 "5" at 124.723,101.973 h0.1 r270; Mechanical 5 "4" at 125.823,101.973 h0.1 r270; Mechanical 5 "96" at 113.823,115.183 h0.1 r270; Mechanical 5 "95" at 113.823,104.183 h0.1 r270; Mechanical 5 "3" at 126.923,101.973 h0.1 r270; Mechanical 5 "7" at 122.523,101.973 h0.1 r270; Mechanical 5 "31" at 124.723,117.433 h0.1 r270; Mechanical 5 "33" at 126.923,117.433 h0.1 r270; Mechanical 5 "32" at 125.823,117.433 h0.1 r270; Mechanical 5 "30" at 123.623,117.433 h0.1 r270; Mechanical 5 "16" at 113.823,107.483 h0.1 r270; Mechanical 5 "18" at 113.823,109.683 h0.1 r270; Mechanical 5 "17" at 113.823,108.583 h0.1 r270; Mechanical 5 "23" at 115.923,117.433 h0.1 r270; Mechanical 5 "20" at 113.823,111.883 h0.1 r270; Mechanical 5 "19" at 113.823,110.783 h0.1 r270; Mechanical 5 "21" at 113.823,112.983 h0.1 r270; Mechanical 5 "22" at 113.823,114.083 h0.1 r270; Mechanical 5 "36" at 131.223,114.083 h0.1 r270; Mechanical 5 "37" at 131.223,112.983 h0.1 r270; Mechanical 5 "40" at 131.223,109.683 h0.1 r270; Mechanical 5 "41" at 131.223,108.583 h0.1 r270; Mechanical 5 "27" at 120.323,117.433 h0.1 r270; Mechanical 5 "34" at 128.023,117.433 h0.1 r270; Mechanical 5 "10" at 119.223,101.933 h0.1 r270; Mechanical 5 "1" at 129.123,101.973 h0.1 r270; Mechanical 5 "39" at 131.223,110.783 h0.1 r270; Mechanical 5 "38" at 131.223,111.883 h0.1 r270; Mechanical 5 "29" at 122.523,117.433 h0.1 r270; Mechanical 5 "28" at 121.423,117.433 h0.1 r270; Mechanical 5 "98" at 131.223,104.183 h0.1 r270; Mechanical 5 "35" at 129.123,117.433 h0.1 r270; Mechanical 5 "2" at 128.023,101.973 h0.1 r270
U2: Mechanical 5 "94" at 82.223,263.583 h0.1 r270; Mechanical 5 "92" at 84.023,263.583 h0.1 r270; Mechanical 5 "90" at 85.823,263.583 h0.1 r270; Mechanical 5 "93" at 82.223,261.783 h0.1 r270; Mechanical 5 "91" at 84.023,261.783 h0.1 r270; Mechanical 5 "89" at 85.823,261.783 h0.1 r270; Mechanical 5 "79" at 81.023,259.483 h0.1 r270; Mechanical 5 "82" at 81.023,265.883 h0.1 r270; Mechanical 5 "109" at 79.873,263.843 h0.1 r270; Mechanical 5 "81" at 79.823,265.883 h0.1 r270; Mechanical 5 "83" at 82.223,265.883 h0.1 r270; Mechanical 5 "84" at 83.423,265.883 h0.1 r270; Mechanical 5 "85" at 84.623,265.883 h0.1 r270; Mechanical 5 "86" at 85.823,265.883 h0.1 r270; Mechanical 5 "87" at 87.023,265.883 h0.1 r270; Mechanical 5 "108" at 79.873,262.643 h0.1 r270; Mechanical 5 "107" at 79.873,261.443 h0.1 r270; Mechanical 5 "80" at 79.823,259.483 h0.1 r270; Mechanical 5 "78" at 82.223,259.483 h0.1 r270; Mechanical 5 "77" at 83.423,259.483 h0.1 r270; Mechanical 5 "76" at 84.623,259.483 h0.1 r270; Mechanical 5 "75" at 85.823,259.483 h0.1 r270; Mechanical 5 "74" at 87.023,259.483 h0.1 r270; Mechanical 5 "88" at 88.223,265.883 h0.1 r270; Mechanical 5 "73" at 88.223,259.483 h0.1 r270; Mechanical 5 "61" at 81.623,267.683 h0.1 r270; Mechanical 5 "59" at 79.223,267.683 h0.1 r270; Mechanical 5 "60" at 80.423,267.683 h0.1 r270; Mechanical 5 "102" at 78.073,266.243 h0.1 r270; Mechanical 5 "58" at 78.073,265.083 h0.1 r270; Mechanical 5 "57" at 78.073,263.883 h0.1 r270; Mechanical 5 "56" at 78.073,262.683 h0.1 r270; Mechanical 5 "55" at 78.073,261.483 h0.1 r270; Mechanical 5 "54" at 78.073,260.283 h0.1 r270; Mechanical 5 "101" at 78.073,259.043 h0.1 r270; Mechanical 5 "105" at 89.973,266.243 h0.1 r270; Mechanical 5 "68" at 89.973,265.083 h0.1 r270; Mechanical 5 "69" at 89.973,263.883 h0.1 r270; Mechanical 5 "106" at 89.973,259.043 h0.1 r270; Mechanical 5 "103" at 78.023,267.643 h0.1 r270; Mechanical 5 "62" at 82.823,267.683 h0.1 r270; Mechanical 5 "63" at 84.023,267.683 h0.1 r270; Mechanical 5 "64" at 85.223,267.683 h0.1 r270; Mechanical 5 "65" at 86.423,267.683 h0.1 r270; Mechanical 5 "104" at 90.023,267.643 h0.1 r270; Mechanical 5 "100" at 78.023,257.643 h0.1 r270; Mechanical 5 "53" at 79.223,257.683 h0.1 r270; Mechanical 5 "52" at 80.423,257.683 h0.1 r270; Mechanical 5 "51" at 81.623,257.683 h0.1 r270; Mechanical 5 "50" at 82.823,257.683 h0.1 r270; Mechanical 5 "49" at 84.023,257.683 h0.1 r270; Mechanical 5 "99" at 90.023,257.683 h0.1 r270; Mechanical 5 "66" at 87.623,267.683 h0.1 r270; Mechanical 5 "67" at 88.823,267.683 h0.1 r270; Mechanical 5 "45" at 88.823,257.683 h0.1 r270; Mechanical 5 "70" at 89.973,262.683 h0.1 r270; Mechanical 5 "71" at 89.973,261.483 h0.1 r270; Mechanical 5 "72" at 89.973,260.283 h0.1 r270; Mechanical 5 "48" at 85.223,257.683 h0.1 r270; Mechanical 5 "47" at 86.423,257.683 h0.1 r270; Mechanical 5 "46" at 87.623,257.683 h0.1 r270; Mechanical 5 "24" at 78.523,270.433 h0.1 r270; Mechanical 5 "42" at 92.723,260.483 h0.1 r270; Mechanical 5 "43" at 92.723,259.383 h0.1 r270; Mechanical 5 "14" at 75.323,258.283 h0.1 r270; Mechanical 5 "12" at 78.523,254.933 h0.1 r270; Mechanical 5 "11" at 79.623,254.933 h0.1 r270; Mechanical 5 "13" at 77.423,254.933 h0.1 r270; Mechanical 5 "25" at 79.623,270.433 h0.1 r270; Mechanical 5 "15" at 75.323,259.383 h0.1 r270; Mechanical 5 "97" at 92.723,268.183 h0.1 r270; Mechanical 5 "44" at 92.723,258.283 h0.1 r270; Mechanical 5 "26" at 80.723,270.433 h0.1 r270; Mechanical 5 "9" at 81.823,254.973 h0.1 r270; Mechanical 5 "8" at 82.923,254.973 h0.1 r270; Mechanical 5 "6" at 85.123,254.973 h0.1 r270; Mechanical 5 "5" at 86.223,254.973 h0.1 r270; Mechanical 5 "4" at 87.323,254.973 h0.1 r270; Mechanical 5 "96" at 75.323,268.183 h0.1 r270; Mechanical 5 "95" at 75.323,257.183 h0.1 r270; Mechanical 5 "3" at 88.423,254.973 h0.1 r270; Mechanical 5 "7" at 84.023,254.973 h0.1 r270; Mechanical 5 "31" at 86.223,270.433 h0.1 r270; Mechanical 5 "33" at 88.423,270.433 h0.1 r270; Mechanical 5 "32" at 87.323,270.433 h0.1 r270; Mechanical 5 "30" at 85.123,270.433 h0.1 r270; Mechanical 5 "16" at 75.323,260.483 h0.1 r270; Mechanical 5 "18" at 75.323,262.683 h0.1 r270; Mechanical 5 "17" at 75.323,261.583 h0.1 r270; Mechanical 5 "23" at 77.423,270.433 h0.1 r270; Mechanical 5 "20" at 75.323,264.883 h0.1 r270; Mechanical 5 "19" at 75.323,263.783 h0.1 r270; Mechanical 5 "21" at 75.323,265.983 h0.1 r270; Mechanical 5 "22" at 75.323,267.083 h0.1 r270; Mechanical 5 "36" at 92.723,267.083 h0.1 r270; Mechanical 5 "37" at 92.723,265.983 h0.1 r270; Mechanical 5 "40" at 92.723,262.683 h0.1 r270; Mechanical 5 "41" at 92.723,261.583 h0.1 r270; Mechanical 5 "27" at 81.823,270.433 h0.1 r270; Mechanical 5 "34" at 89.523,270.433 h0.1 r270; Mechanical 5 "10" at 80.723,254.933 h0.1 r270; Mechanical 5 "1" at 90.623,254.973 h0.1 r270; Mechanical 5 "39" at 92.723,263.783 h0.1 r270; Mechanical 5 "38" at 92.723,264.883 h0.1 r270; Mechanical 5 "29" at 84.023,270.433 h0.1 r270; Mechanical 5 "28" at 82.923,270.433 h0.1 r270; Mechanical 5 "98" at 92.723,257.183 h0.1 r270; Mechanical 5 "35" at 90.623,270.433 h0.1 r270; Mechanical 5 "2" at 89.523,254.973 h0.1 r270
U2: Mechanical 5 "94" at 82.223,212.583 h0.1 r270; Mechanical 5 "92" at 84.023,212.583 h0.1 r270; Mechanical 5 "90" at 85.823,212.583 h0.1 r270; Mechanical 5 "93" at 82.223,210.783 h0.1 r270; Mechanical 5 "91" at 84.023,210.783 h0.1 r270; Mechanical 5 "89" at 85.823,210.783 h0.1 r270; Mechanical 5 "79" at 81.023,208.483 h0.1 r270; Mechanical 5 "82" at 81.023,214.883 h0.1 r270; Mechanical 5 "109" at 79.873,212.843 h0.1 r270; Mechanical 5 "81" at 79.823,214.883 h0.1 r270; Mechanical 5 "83" at 82.223,214.883 h0.1 r270; Mechanical 5 "84" at 83.423,214.883 h0.1 r270; Mechanical 5 "85" at 84.623,214.883 h0.1 r270; Mechanical 5 "86" at 85.823,214.883 h0.1 r270; Mechanical 5 "87" at 87.023,214.883 h0.1 r270; Mechanical 5 "108" at 79.873,211.643 h0.1 r270; Mechanical 5 "107" at 79.873,210.443 h0.1 r270; Mechanical 5 "80" at 79.823,208.483 h0.1 r270; Mechanical 5 "78" at 82.223,208.483 h0.1 r270; Mechanical 5 "77" at 83.423,208.483 h0.1 r270; Mechanical 5 "76" at 84.623,208.483 h0.1 r270; Mechanical 5 "75" at 85.823,208.483 h0.1 r270; Mechanical 5 "74" at 87.023,208.483 h0.1 r270; Mechanical 5 "88" at 88.223,214.883 h0.1 r270; Mechanical 5 "73" at 88.223,208.483 h0.1 r270; Mechanical 5 "61" at 81.623,216.683 h0.1 r270; Mechanical 5 "59" at 79.223,216.683 h0.1 r270; Mechanical 5 "60" at 80.423,216.683 h0.1 r270; Mechanical 5 "102" at 78.073,215.243 h0.1 r270; Mechanical 5 "58" at 78.073,214.083 h0.1 r270; Mechanical 5 "57" at 78.073,212.883 h0.1 r270; Mechanical 5 "56" at 78.073,211.683 h0.1 r270; Mechanical 5 "55" at 78.073,210.483 h0.1 r270; Mechanical 5 "54" at 78.073,209.283 h0.1 r270; Mechanical 5 "101" at 78.073,208.043 h0.1 r270; Mechanical 5 "105" at 89.973,215.243 h0.1 r270; Mechanical 5 "68" at 89.973,214.083 h0.1 r270; Mechanical 5 "69" at 89.973,212.883 h0.1 r270; Mechanical 5 "106" at 89.973,208.043 h0.1 r270; Mechanical 5 "103" at 78.023,216.643 h0.1 r270; Mechanical 5 "62" at 82.823,216.683 h0.1 r270; Mechanical 5 "63" at 84.023,216.683 h0.1 r270; Mechanical 5 "64" at 85.223,216.683 h0.1 r270; Mechanical 5 "65" at 86.423,216.683 h0.1 r270; Mechanical 5 "104" at 90.023,216.643 h0.1 r270; Mechanical 5 "100" at 78.023,206.643 h0.1 r270; Mechanical 5 "53" at 79.223,206.683 h0.1 r270; Mechanical 5 "52" at 80.423,206.683 h0.1 r270; Mechanical 5 "51" at 81.623,206.683 h0.1 r270; Mechanical 5 "50" at 82.823,206.683 h0.1 r270; Mechanical 5 "49" at 84.023,206.683 h0.1 r270; Mechanical 5 "99" at 90.023,206.683 h0.1 r270; Mechanical 5 "66" at 87.623,216.683 h0.1 r270; Mechanical 5 "67" at 88.823,216.683 h0.1 r270; Mechanical 5 "45" at 88.823,206.683 h0.1 r270; Mechanical 5 "70" at 89.973,211.683 h0.1 r270; Mechanical 5 "71" at 89.973,210.483 h0.1 r270; Mechanical 5 "72" at 89.973,209.283 h0.1 r270; Mechanical 5 "48" at 85.223,206.683 h0.1 r270; Mechanical 5 "47" at 86.423,206.683 h0.1 r270; Mechanical 5 "46" at 87.623,206.683 h0.1 r270; Mechanical 5 "24" at 78.523,219.433 h0.1 r270; Mechanical 5 "42" at 92.723,209.483 h0.1 r270; Mechanical 5 "43" at 92.723,208.383 h0.1 r270; Mechanical 5 "14" at 75.323,207.283 h0.1 r270; Mechanical 5 "12" at 78.523,203.933 h0.1 r270; Mechanical 5 "11" at 79.623,203.933 h0.1 r270; Mechanical 5 "13" at 77.423,203.933 h0.1 r270; Mechanical 5 "25" at 79.623,219.433 h0.1 r270; Mechanical 5 "15" at 75.323,208.383 h0.1 r270; Mechanical 5 "97" at 92.723,217.183 h0.1 r270; Mechanical 5 "44" at 92.723,207.283 h0.1 r270; Mechanical 5 "26" at 80.723,219.433 h0.1 r270; Mechanical 5 "9" at 81.823,203.973 h0.1 r270; Mechanical 5 "8" at 82.923,203.973 h0.1 r270; Mechanical 5 "6" at 85.123,203.973 h0.1 r270; Mechanical 5 "5" at 86.223,203.973 h0.1 r270; Mechanical 5 "4" at 87.323,203.973 h0.1 r270; Mechanical 5 "96" at 75.323,217.183 h0.1 r270; Mechanical 5 "95" at 75.323,206.183 h0.1 r270; Mechanical 5 "3" at 88.423,203.973 h0.1 r270; Mechanical 5 "7" at 84.023,203.973 h0.1 r270; Mechanical 5 "31" at 86.223,219.433 h0.1 r270; Mechanical 5 "33" at 88.423,219.433 h0.1 r270; Mechanical 5 "32" at 87.323,219.433 h0.1 r270; Mechanical 5 "30" at 85.123,219.433 h0.1 r270; Mechanical 5 "16" at 75.323,209.483 h0.1 r270; Mechanical 5 "18" at 75.323,211.683 h0.1 r270; Mechanical 5 "17" at 75.323,210.583 h0.1 r270; Mechanical 5 "23" at 77.423,219.433 h0.1 r270; Mechanical 5 "20" at 75.323,213.883 h0.1 r270; Mechanical 5 "19" at 75.323,212.783 h0.1 r270; Mechanical 5 "21" at 75.323,214.983 h0.1 r270; Mechanical 5 "22" at 75.323,216.083 h0.1 r270; Mechanical 5 "36" at 92.723,216.083 h0.1 r270; Mechanical 5 "37" at 92.723,214.983 h0.1 r270; Mechanical 5 "40" at 92.723,211.683 h0.1 r270; Mechanical 5 "41" at 92.723,210.583 h0.1 r270; Mechanical 5 "27" at 81.823,219.433 h0.1 r270; Mechanical 5 "34" at 89.523,219.433 h0.1 r270; Mechanical 5 "10" at 80.723,203.933 h0.1 r270; Mechanical 5 "1" at 90.623,203.973 h0.1 r270; Mechanical 5 "39" at 92.723,212.783 h0.1 r270; Mechanical 5 "38" at 92.723,213.883 h0.1 r270; Mechanical 5 "29" at 84.023,219.433 h0.1 r270; Mechanical 5 "28" at 82.923,219.433 h0.1 r270; Mechanical 5 "98" at 92.723,206.183 h0.1 r270; Mechanical 5 "35" at 90.623,219.433 h0.1 r270; Mechanical 5 "2" at 89.523,203.973 h0.1 r270